# Altium PCB OLD_DIOT_temperature_logger.PcbDoc (part 6 of 6)
Units mm, origin at the board's own origin, x right, y up, seen from the top; angles counter-clockwise.
Board outline 222.54 x 100 mm, 4 copper layers (TOP, MID1, MID2, BOT), stack 1.55 mm thick; 631 components, 598 nets, 2471 pads, 1426 vias.
Unrouted connection lines stored in the file: 306.
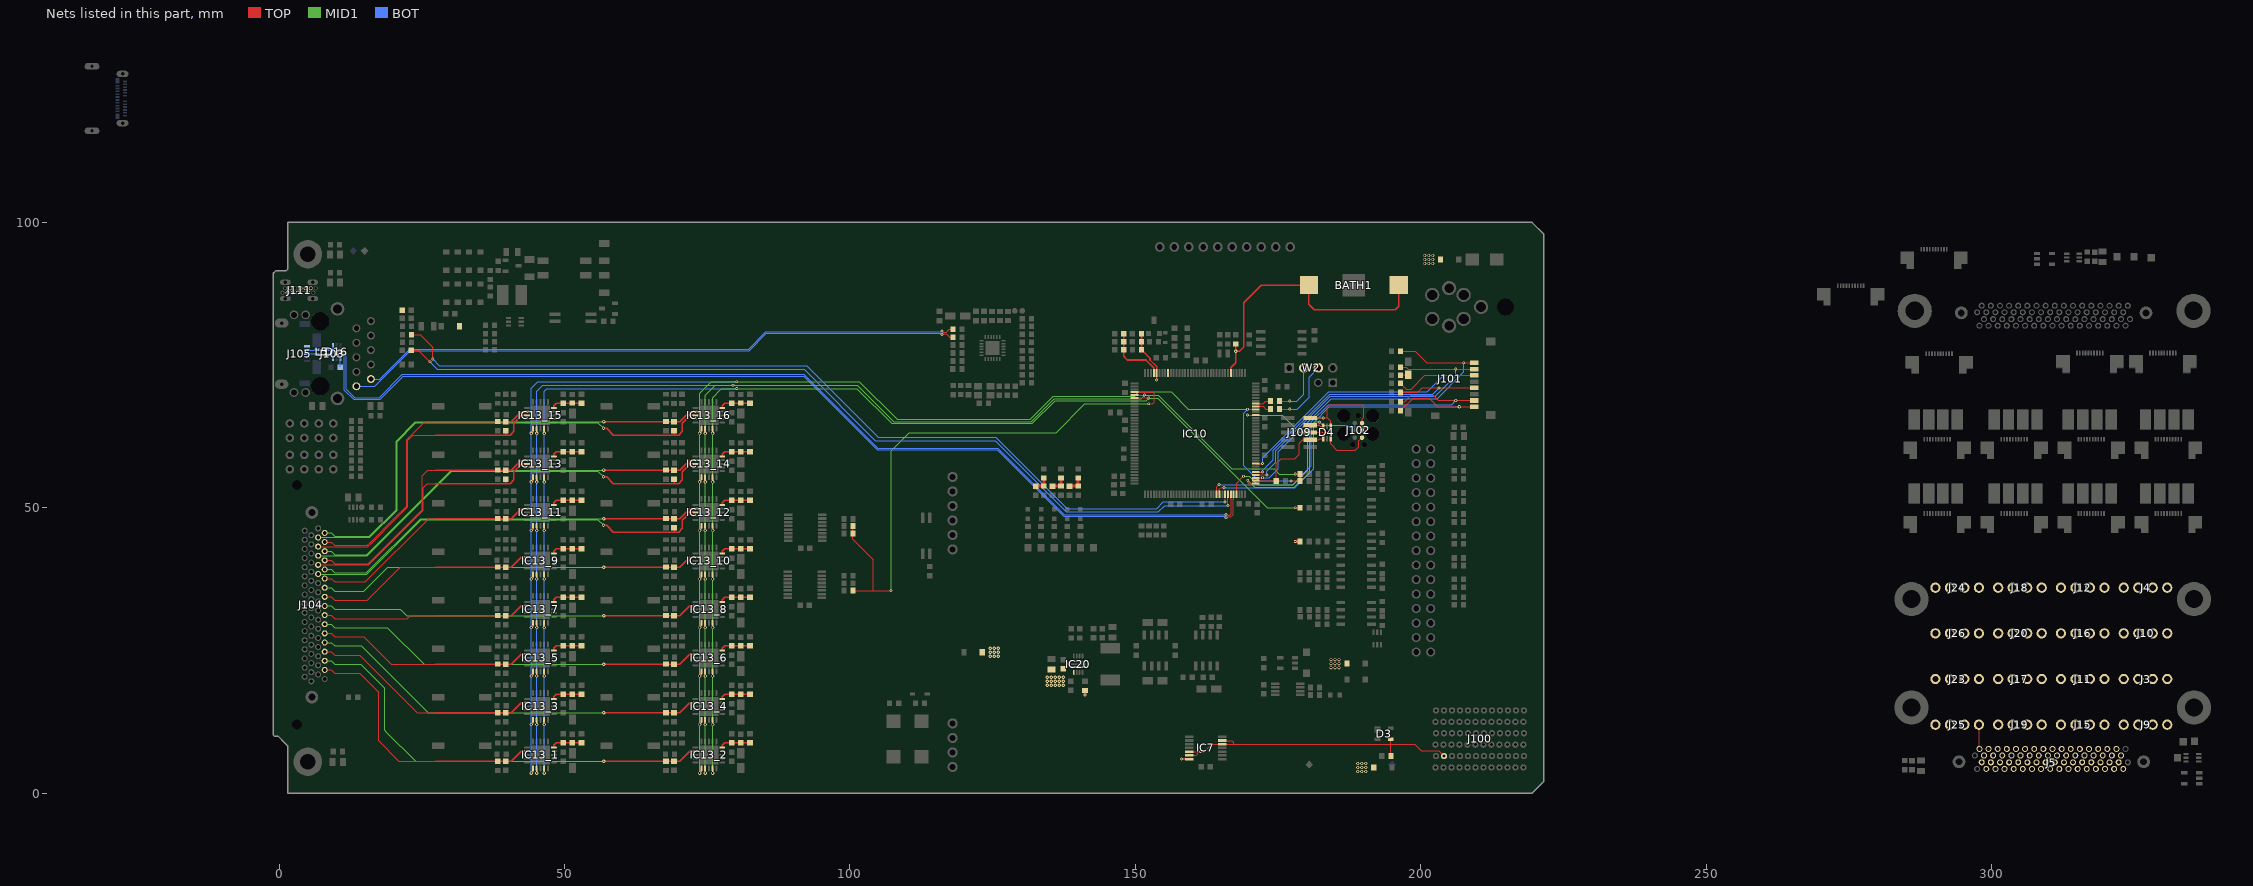
[diagram p8: the nets of this part, all layers, seen from the top]

## Via types
v1: diameter 0.5, hole 0.2, TOP to BOT, tented both sides, 687 vias
v2: diameter 0.6, hole 0.3, TOP to BOT, 286 vias
v3: diameter 0.5, hole 0.2, TOP to BOT, 256 vias
v4: diameter 0.6, hole 0.3, TOP to BOT, tented both sides, 192 vias
v5: diameter 0.66, hole 0.33, TOP to BOT, tented both sides, 5 vias

## Nets (pads, with @x,y where several pads share a name; then routed paths per layer and width w, separated by ;. In a path a pad name is that pad's centre, name@x,y a point inside that pad or via, vN(x,y) a via of type N, cw(c..) or ccw(c..) an arc to the next point about the centre after c; other vN are vias at no path point) (continued)
RTDIN_N11: C53_12.1 IC13_12.8 J104.24 | length 74
  TOP w0.254: v2(56.85,46.925) 57.4,46.925 58.575,45.75 69.184,45.75 ; C53_12.1@69.2,46.5 69.2,45.766 69.184,45.75 ; IC13_12.8@72.95,49.2 72,49.2 70.625,47.825 70.625,46.375 70,45.75 69.184,45.75
  MID1 w0.102: J104.24@6.85,38.395 9.654,38.395 15.396,38.395 24.897,47.896 55.879,47.896 v2(56.85,46.925)
RTDIN_N12: C53_13.1 IC13_13.8 J104.26 | length 47.9
  TOP w0.102: J104.26@6.85,39.995 13.643,39.995 ; 13.575,39.995 15.695,39.995 25.3,49.6 25.3,53.55 26,54.25 27.375,54.25
  TOP w0.254: 27.375,54.25 39.684,54.25 ; C53_13.1@39.7,55 39.7,54.266 39.684,54.25 ; IC13_13.8@43.45,57.7 42.5,57.7 41.125,56.325 41.125,54.875 40.5,54.25 39.684,54.25
RTDIN_N13: C53_14.1 IC13_14.8 J104.28 | length 76.2
  TOP w0.254: v2(56.85,55.425) 57.4,55.425 58.575,54.25 69.184,54.25 ; C53_14.1@69.2,55 69.2,54.266 69.184,54.25 ; IC13_14.8@72.95,57.7 72,57.7 70.625,56.325 70.625,54.875 70,54.25 69.184,54.25
  MID1 w0.102: J104.28@6.85,41.595 9.654,41.595 15.395,41.595 15.446,41.595 30.247,56.396 55.879,56.396 v2(56.85,55.425)
RTDIN_N14: C53_15.1 IC13_15.8 J104.30 | length 54.6
  TOP w0.102: J104.30@6.85,43.195 13.575,43.195 13.643,43.195 15.295,43.195 15.583,43.195 16.298,43.911 ; 16.298,43.911 20.553,48.166 22.547,50.159 22.547,61.797 22.75,62 23.5,62.75 27.375,62.75
  TOP w0.254: 27.375,62.75 39.684,62.75 ; C53_15.1@39.7,63.5 39.7,62.766 39.684,62.75 ; IC13_15.8@43.45,66.2 42.5,66.2 41.125,64.825 41.125,63.375 40.5,62.75 39.684,62.75
RTDIN_N15: C53_16.1 IC13_16.8 J104.32 | length 85.4
  TOP w0.254: v2(56.85,63.925) 57.4,63.925 58.575,62.75 69.184,62.75 ; C53_16.1@69.2,63.5 69.2,62.766 69.184,62.75 ; IC13_16.8@72.95,66.2 72,66.2 70.625,64.825 70.625,63.375 70,62.75 69.184,62.75
  MID1 w0.102: J104.32@6.85,44.795 9.654,44.795 15.921,44.795 20.696,49.571 20.696,61.171 20.696,61.609 23.983,64.896 24.421,64.896 55.879,64.896 v2(56.85,63.925)
RTDIN_P00: C53_1.2 IC13_1.7 J104.3 R108_1.2 | length 47.8
  TOP w0.102: J104.3@8,21.595 9.142,21.595 9.738,20.999 14.176,20.999 17.453,17.722 17.453,9.147 21,5.6 27.375,5.6
  TOP w0.254: 27.375,5.6 R108_1.2@38.3,5.6 C53_1.2@39.7,5.6 40.675,5.6 42.425,7.35 IC13_1.7@43.45,7.35
RTDIN_P01: C53_2.2 IC13_2.7 J104.5 R108_2.2 | length 77.3
  TOP w0.254: v2(56.875,5.6) R108_2.2@67.8,5.6 C53_2.2@69.2,5.6 70.175,5.6 71.925,7.35 IC13_2.7@72.95,7.35
  MID1 w0.102: J104.5@8,23.195 9.142,23.195 9.738,22.599 14.288,22.599 18.521,18.366 18.521,11.004 18.725,10.801 23.926,5.6 55.963,5.6 v2(56.875,5.6)
RTDIN_P02: C53_3.2 IC13_3.7 J104.7 R108_3.2 | length 40.6
  TOP w0.102: J104.7@8,24.795 9.142,24.795 9.738,24.199 14.114,24.199 24.212,14.1 27.509,14.1
  TOP w0.254: 27.509,14.1 R108_3.2@38.3,14.1 C53_3.2@39.7,14.1 40.675,14.1 42.425,15.85 IC13_3.7@43.45,15.85
RTDIN_P03: C53_4.2 IC13_4.7 J104.9 R108_4.2 | length 70.8
  TOP w0.254: v2(56.875,14.1) R108_4.2@67.8,14.1 C53_4.2@69.2,14.1 70.175,14.1 71.925,15.85 IC13_4.7@72.95,15.85
  MID1 w0.102: J104.9@8,26.395 9.142,26.395 9.738,25.799 14.314,25.799 14.402,25.799 26.101,14.1 v2(56.875,14.1)
RTDIN_P04: C53_5.2 IC13_5.7 J104.11 R108_5.2 | length 38.4
  TOP w0.102: J104.11@8,27.995 9.142,27.995 9.738,27.399 14.864,27.399 19.662,22.6 27.375,22.6
  TOP w0.254: 27.375,22.6 R108_5.2@38.3,22.6 C53_5.2@39.7,22.6 40.675,22.6 42.425,24.35 IC13_5.7@43.45,24.35
RTDIN_P05: C53_6.2 IC13_6.7 J104.13 R108_6.2 | length 68.6
  TOP w0.254: v2(56.875,22.6) R108_6.2@67.8,22.6 C53_6.2@69.2,22.6 70.175,22.6 71.925,24.35 IC13_6.7@72.95,24.35
  MID1 w0.102: J104.13@8,29.595 9.142,29.595 9.738,28.999 18.426,28.999 19.002,28.999 25.401,22.6 v2(56.875,22.6)
RTDIN_P06: C53_7.2 IC13_7.7 J104.15 R108_7.2 | length 36.6
  TOP w0.102: J104.15@8,31.195 9.142,31.195 9.738,30.599 22.449,30.599 22.95,31.1 27.375,31.1
  TOP w0.254: 27.375,31.1 R108_7.2@38.3,31.1 C53_7.2@39.7,31.1 40.675,31.1 42.425,32.85 IC13_7.7@43.45,32.85
RTDIN_P07: C53_8.2 IC13_8.7 J104.17 R108_8.2 | length 66.4
  TOP w0.254: v2(56.875,31.1) R108_8.2@67.8,31.1 C53_8.2@69.2,31.1 70.175,31.1 71.925,32.85 IC13_8.7@72.95,32.85
  MID1 w0.102: J104.17@8,32.795 9.142,32.795 9.738,32.199 21.252,32.199 22.351,31.1 v2(56.875,31.1)
RTDIN_P08: C53_9.2 IC13_9.7 J104.19 R108_9.2 | length 38.8
  TOP w0.102: J104.19@8,34.395 9.142,34.395 9.738,33.799 15.427,33.799 21.228,39.6 27.375,39.6
  TOP w0.254: 27.375,39.6 R108_9.2@38.3,39.6 C53_9.2@39.7,39.6 40.675,39.6 42.425,41.35 IC13_9.7@43.45,41.35
RTDIN_P09: C53_10.2 IC13_10.7 J104.21 R108_10.2 | length 67.7
  TOP w0.254: v2(56.875,39.6) R108_10.2@67.8,39.6 C53_10.2@69.2,39.6 70.175,39.6 71.925,41.35 IC13_10.7@72.95,41.35
  MID1 w0.102: J104.21@8,35.995 9.142,35.995 9.738,35.399 14.724,35.399 14.862,35.399 19.063,39.6 v2(56.875,39.6)
RTDIN_P10: C53_11.2 IC13_11.7 J104.23 R108_11.2 | length 41
  TOP w0.102: J104.23@8,37.595 9.142,37.595 9.738,36.999 14.124,36.999 14.799,36.999 15.099,36.999 26.2,48.1 27.375,48.1
  TOP w0.254: 27.375,48.1 R108_11.2@38.3,48.1 C53_11.2@39.7,48.1 40.675,48.1 42.425,49.85 IC13_11.7@43.45,49.85
RTDIN_P11: C53_12.2 IC13_12.7 J104.25 R108_12.2 | length 69.9
  TOP w0.254: v2(56.875,48.1) R108_12.2@67.8,48.1 C53_12.2@69.2,48.1 70.175,48.1 71.925,49.85 IC13_12.7@72.95,49.85
  MID1 w0.102: J104.25@8,39.195 9.142,39.195 9.738,38.599 15.024,38.599 15.312,38.599 24.813,48.1 v2(56.875,48.1)
RTDIN_P12: C53_13.2 IC13_13.7 J104.27 R108_13.2 | length 46.7
  TOP w0.102: J104.27@8,40.795 9.142,40.795 9.738,40.199 15.599,40.199 16.645,41.245 25.097,49.697 25.097,53.634 25.097,55.609 26.087,56.6 27.375,56.6
  TOP w0.254: 27.375,56.6 R108_13.2@38.3,56.6 C53_13.2@39.7,56.6 40.675,56.6 42.425,58.35 IC13_13.7@43.45,58.35
RTDIN_P13: C53_14.2 IC13_14.7 J104.29 R108_14.2 | length 72.1
  TOP w0.254: v2(56.875,56.6) R108_14.2@67.8,56.6 C53_14.2@69.2,56.6 70.175,56.6 71.925,58.35 IC13_14.7@72.95,58.35
  MID1 w0.102: J104.29@8,42.395 9.142,42.395 9.738,41.799 15.224,41.799 15.362,41.799 30.163,56.6 v2(56.875,56.6)
RTDIN_P14: C53_15.2 IC13_15.7 J104.31 R108_15.2 | length 52.2
  TOP w0.102: J104.31@8,43.995 9.142,43.995 9.738,43.399 15.499,43.399 16.095,43.995 20.225,48.125 22.344,50.244 22.344,61.881 22.547,62.084 25.562,65.1 27.375,65.1
  TOP w0.254: 27.375,65.1 R108_15.2@38.3,65.1 C53_15.2@39.7,65.1 40.675,65.1 42.425,66.85 IC13_15.7@43.45,66.85
RTDIN_P15: C53_16.2 IC13_16.7 J104.33 R108_16.2 | length 81.3
  TOP w0.254: v2(56.875,65.1) R108_16.2@67.8,65.1 C53_16.2@69.2,65.1 70.175,65.1 71.925,66.85 IC13_16.7@72.95,66.85
  MID1 w0.102: J104.33@8,45.595 9.142,45.595 9.738,44.999 15.837,44.999 20.493,49.655 20.493,61.406 20.493,61.694 23.899,65.1 24.187,65.1 24.79,65.1 v2(56.875,65.1)
Rx: R78.1 W2.2 | length 9.3
  TOP w0.127: R78.1@175.3,68.7 v3(177.075,68.7)
  BOT w0.127: v3(177.075,68.7) 178.325,68.7 179.54,69.915 W2.2@179.54,74.5
RXD: IC10.137 R78.2 | length 2.8
  TOP w0.127: IC10.137@171.125,68.25 172.4,68.25 172.85,68.7 R78.2@173.7,68.7
SD_CK: IC10.113 J101.5 R61.1 | length 52.6
  TOP w0.2: IC10.113@171.125,56.25 172.3,56.25 v3(172.325,56.275) ; R61.1@196.5,70.2 199.5,70.2 200.3,71 v3(203.225,71) J101.5@209.4,71
  BOT w0.2: v3(172.325,56.275) 172.382,56.332 172.382,56.557 174.225,58.4 174.225,60.1 184.05,69.925 202.15,69.925 v3(203.225,71)
SD_CMD: IC10.116 J101.3 R60.1 | length 54.2
  TOP w0.2: IC10.116@171.125,57.75 v3(172.325,57.75) ; R60.1@196.49,71.8 196.49,71.75 196.84,71.4 196.89,71.4 197.515,70.775 198.325,70.775 200.75,73.2 v3(204.018,73.2) J101.3@209.4,73.2
  BOT w0.2: v3(172.325,57.75) 172.325,58.725 183.925,70.325 201.143,70.325 v3(204.018,73.2)
SD_D0: IC10.98 J101.7 R62.1 | length 67.7
  TOP w0.2: IC10.98@164.25,52.375 164.25,53.65 v3(164.675,54.075) ; R62.1@196.5,68.6 197.182,68.6 198.282,69.7 202.225,69.7 203.125,68.8 v2(206.146,68.8) J101.7@209.4,68.8
  BOT w0.2: v3(164.675,54.075) 177.625,54.075 180.876,57.326 180.876,65.051 183.9,68.075 205.421,68.075 v2(206.146,68.8)
SD_D1: IC10.99 J101.8 R63.1 | length 68.2
  TOP w0.2: IC10.99@164.75,52.375 164.75,53.325 164.975,53.55 v3(165.525,53.55) ; R63.1@196.5,67 196.5,67.05 196.85,67.4 196.9,67.4 198.7,69.2 201.475,69.2 202.975,67.7 v2(206.807,67.7) J101.8@209.4,67.7
  BOT w0.2: v3(165.525,53.55) 177.95,53.55 181.238,56.838 181.238,64.913 184.025,67.7 v2(206.807,67.7)
SD_D2: IC10.111 J101.1 R58.1 | length 61.2
  TOP w0.2: IC10.111@171.125,55.25 v3(172.325,55.25) ; R58.1@196.49,77.4 199.082,77.4 201.082,75.4 v3(207.559,75.4) J101.1@209.4,75.4
  BOT w0.2: v3(172.325,55.25) 173.5,55.25 175.05,56.8 175.05,59.85 184.325,69.125 202.875,69.125 207.559,73.809 v3(207.559,75.4)
SD_D3: IC10.112 J101.2 R59.1 | length 58
  TOP w0.2: IC10.112@171.125,55.75 v3(173.075,55.75) ; R59.1@196.49,74.6 197.525,74.6 197.825,74.3 v3(206.166,74.3) J101.2@209.4,74.3
  BOT w0.2: v3(173.075,55.75) 173.075,56.375 174.65,57.95 174.65,59.975 184.2,69.525 202.575,69.525 206.166,73.116 v3(206.166,74.3)
SD_SW: J101.12 R64.1 | length 1.4
  TOP w0.2: R64.1@196.49,73.2 196.59,73.3 J101.12@197.825,73.3
SERVMOD_3V3: D3.3 IC7.5 IC7.6 IC7.12 IC7.13 J100.K2 R42.2 | length 53.5
  TOP w0.127: IC7.13@159.45,6.625 160.7,6.625 160.921,6.846 160.921,7.275 ; IC7.12@159.45,7.275 160.921,7.275 ; IC7.5@165.25,8.575 163.4,8.575 162.1,7.275 v3(161.45,7.275) 160.921,7.275
  TOP w0.2: IC7.5@165.25,8.575 167.275,8.575 ; IC7.6@165.25,9.225 166.95,9.225 167.275,8.9 167.275,8.575 ; D3.3@194.75,9.45 194.8,9.4 194.8,8.575 ; R42.2@194.8,6.5 194.8,8.575 ; J100.K2@204.1,6.5 203.15,7.45 200.075,7.45 198.95,8.575 194.8,8.575 ; 167.275,8.575 194.8,8.575
SPI1_CS: R28.1 | length 0.8
  TOP w0.5: v3(178.05,44.1) R28.1@178.9,44.1
SPI1_MISO: IC10.42 IC13_1.14 IC13_2.14 IC13_3.14 IC13_4.14 IC13_5.14 IC13_6.14 IC13_7.14 IC13_8.14 IC13_9.14 IC13_10.14 IC13_11.14 IC13_12.14 IC13_13.14 IC13_14.14 IC13_15.14 IC13_16.14 R27.1 | length 300.3
  TOP w0.2: IC10.42@149.875,69.25 152.35,69.25 v3(152.375,69.225) ; v3(178.05,50) R27.1@178.9,50
  TOP w0.254: v4@46.45,3.4 v4(46.45,3.525) IC13_1.14@46.45,4.35 ; v4@46.45,11.9 v4(46.45,12.025) IC13_3.14@46.45,12.85 ; v4@46.45,20.4 v4(46.45,20.525) IC13_5.14@46.45,21.35 ; v4@46.45,28.9 v4(46.45,29.025) IC13_7.14@46.45,29.85 ; v4@46.45,37.4 v4(46.45,37.525) IC13_9.14@46.45,38.35 ; v4@46.45,45.9 v4(46.45,46.025) IC13_11.14@46.45,46.85 ; v4@46.45,54.4 v4(46.45,54.525) IC13_13.14@46.45,55.35 ; v4@46.45,62.9 v4(46.45,63.025) IC13_15.14@46.45,63.85 ; v4@75.95,3.4 v4(75.95,3.525) IC13_2.14@75.95,4.35 ; v4@75.95,11.9 v4(75.95,12.025) IC13_4.14@75.95,12.85 ; v4@75.95,20.4 v4(75.95,20.525) IC13_6.14@75.95,21.35 ; v4@75.95,28.9 v4(75.95,29.025) IC13_8.14@75.95,29.85 ; v4@75.95,37.4 v4(75.95,37.525) IC13_10.14@75.95,38.35 ; v4@75.95,45.9 v4(75.95,46.025) IC13_12.14@75.95,46.85 ; v4@75.95,54.4 v4(75.95,54.525) IC13_14.14@75.95,55.35 ; v4@75.95,62.9 v4(75.95,63.025) IC13_16.14@75.95,63.85
  MID1 w0.2: v4(75.95,3.525) v4(75.95,12.025) v4(75.95,20.525) v4(75.95,29.025) v4(75.95,37.525) v4(75.95,46.025) v4(75.95,54.525) v4(75.95,63.025) 75.95,69.3 77.5,70.85 v3@80.2,70.85 ; v3(80.2,70.875) 101.228,70.875 107.328,64.775 132,64.775 135.975,68.75 151.95,68.75 152.375,69.175 v3(152.375,69.225) 153.925,69.225 173.15,50 v3(178.05,50)
  BOT w0.2: v4(46.45,3.525) v4(46.45,12.025) v4(46.45,20.525) v4(46.45,29.025) v4(46.45,37.525) v4(46.45,46.025) v4(46.45,54.525) v4(46.45,63.025) 46.45,70.4 46.925,70.875 v3(80.2,70.875)
SPI1_MOSI: IC10.135 IC13_1.11 IC13_2.11 IC13_3.11 IC13_4.11 IC13_5.11 IC13_6.11 IC13_7.11 IC13_8.11 IC13_9.11 IC13_10.11 IC13_11.11 IC13_12.11 IC13_13.11 IC13_14.11 IC13_15.11 IC13_16.11 R26.1 | length 311.7
  TOP w0.2: v3(169.675,67.25) IC10.135@171.125,67.25 ; v3(177.275,54.7) R26.1@178.9,54.7
  TOP w0.254: v4@44.175,3.5 44.5,3.825 IC13_1.11@44.5,4.35 ; v4@44.175,12 44.5,12.325 IC13_3.11@44.5,12.85 ; v4@44.175,20.5 44.5,20.825 IC13_5.11@44.5,21.35 ; v4@44.175,29 44.5,29.325 IC13_7.11@44.5,29.85 ; v4@44.175,37.5 44.5,37.825 IC13_9.11@44.5,38.35 ; v4@44.175,46 44.5,46.325 IC13_11.11@44.5,46.85 ; v4@44.175,54.5 44.5,54.825 IC13_13.11@44.5,55.35 ; v4@44.175,63 44.5,63.325 IC13_15.11@44.5,63.85 ; v4@73.675,3.5 74,3.825 IC13_2.11@74,4.35 ; v4@73.675,12 74,12.325 IC13_4.11@74,12.85 ; v4@73.675,20.5 74,20.825 IC13_6.11@74,21.35 ; v4@73.675,29 74,29.325 IC13_8.11@74,29.85 ; v4@73.675,37.5 74,37.825 IC13_10.11@74,38.35 ; v4@73.675,46 74,46.325 IC13_12.11@74,46.85 ; v4@73.675,54.5 74,54.825 IC13_14.11@74,55.35 ; v4@73.675,63 74,63.325 IC13_16.11@74,63.85
  MID1 w0.2: v4(73.675,3.525) v4(73.675,12.025) v4(73.675,20.525) v4(73.675,29.025) v4(73.675,37.525) v4(73.675,46.025) v4(73.675,54.525) v4(73.675,63.025) 73.675,70.05 75.7,72.075 v3(80.2,72.075) 101.675,72.075 108.275,65.475 131.575,65.475 135.65,69.55 149.875,69.55 150.625,70.3 156.275,70.3 159.325,67.25 v3(169.675,67.25)
  BOT w0.2: v4(44.175,3.525) v4(44.175,12.025) v4(44.175,20.525) v4(44.175,29.025) v4(44.175,37.525) v4(44.175,46.025) v4(44.175,54.525) v4(44.175,63.025) 44.175,70.925 45.325,72.075 v3(80.2,72.075) ; v3(169.675,67.25) 168.975,66.55 168.975,57.375 171.65,54.7 v3(177.275,54.7)
SPI1_NSS: IC10.40 R115.1 R116.1 R117.1 | length 98.6
  TOP w0.2: R116.1@100.55,35.5 104.125,35.5 ; R115.1@100.55,46.8 R117.1@100.55,45.5 100.55,44.475 104.125,40.9 104.125,35.5 ; v3(107.225,35.5) 104.125,35.5 ; IC10.40@149.875,70.25 153.1,70.25 153.325,70.025 153.325,68.475 153.075,68.225 v3(152.375,68.225)
  MID1 w0.2: v3(107.225,35.5) 107.225,59.95 110.45,63.175 136.125,63.175 141.175,68.225 v3(152.375,68.225)
SPI1_SCK: IC10.41 IC13_1.12 IC13_2.12 IC13_3.12 IC13_4.12 IC13_5.12 IC13_6.12 IC13_7.12 IC13_8.12 IC13_9.12 IC13_10.12 IC13_11.12 IC13_12.12 IC13_13.12 IC13_14.12 IC13_15.12 IC13_16.12 R29.1 | length 298.2
  TOP w0.2: IC10.41@149.875,69.75 v3(151.65,69.75) ; v3(178.05,55.9) R29.1@178.9,55.9
  TOP w0.254: v4(45.15,3.525) IC13_1.12@45.15,4.35 ; v4(45.15,12.025) IC13_3.12@45.15,12.85 ; v4(45.15,20.525) IC13_5.12@45.15,21.35 ; v4(45.15,29.025) IC13_7.12@45.15,29.85 ; v4(45.15,37.525) IC13_9.12@45.15,38.35 ; v4(45.15,46.025) IC13_11.12@45.15,46.85 ; v4(45.15,54.525) IC13_13.12@45.15,55.35 ; v4(45.15,63.025) IC13_15.12@45.15,63.85 ; v4(74.65,3.525) IC13_2.12@74.65,4.35 ; v4(74.65,12.025) IC13_4.12@74.65,12.85 ; v4(74.65,20.525) IC13_6.12@74.65,21.35 ; v4(74.65,29.025) IC13_8.12@74.65,29.85 ; v4(74.65,37.525) IC13_10.12@74.65,38.35 ; v4(74.65,46.025) IC13_12.12@74.65,46.85 ; v4(74.65,54.525) IC13_14.12@74.65,55.35 ; v4(74.65,63.025) IC13_16.12@74.65,63.85
  MID1 w0.2: v4(74.65,3.525) v4(74.65,12.025) v4(74.65,20.525) v4(74.65,29.025) v4(74.65,37.525) v4(74.65,46.025) v4(74.65,54.525) v4(74.65,63.025) 74.65,69.739 76.386,71.475 v3(79.548,71.475) 101.294,71.475 107.692,65.077 131.802,65.077 135.85,69.125 151.025,69.125 v3(151.65,69.75) 154,69.75 166.925,56.825 174.35,56.825 175.275,55.9 v3(178.05,55.9)
  BOT w0.2: v4(45.15,3.525) v4(45.15,12.025) v4(45.15,20.525) v4(45.15,29.025) v4(45.15,37.525) v4(45.15,46.025) v4(45.15,54.525) v4(45.15,63.025) 45.15,70.4 46.225,71.475 v3(79.548,71.475)
SWCLK: D4.3 IC10.109 J102.4 J109.4 | length 36.6
  TOP w0.127: v3(169.725,54.825) 169.725,54.45 169.925,54.25 IC10.109@171.125,54.25 ; J109.4@180.65,64.47 182.28,64.47 ; v3(182.275,65.05) 182.28,65.045 182.28,64.47 ; D4.3@182.95,64.3 182.45,64.3 182.28,64.47
  TOP w0.2: J102.4@189.735,63.56 v3(190.37,64.195)
  MID1 w0.127: v3(169.725,54.825) 170.975,53.575 177.9,53.575 180.575,56.25 180.575,64.075 181.55,65.05 v3(182.275,65.05)
  BOT w0.127: v3(182.275,65.05) 182.825,64.5 187.14,64.5 187.445,64.195 v3(190.37,64.195)
SWDIO: D4.1 IC10.105 J102.2 J109.2 | length 44.2
  TOP w0.127: IC10.105@167.75,52.375 167.75,54.325 v3(168.95,55.525) ; J109.2@180.65,65.74 v3(182.945,65.74) 183.66,65.74 ; D4.1@184.25,64.3 184.25,65.15 183.66,65.74 ; J102.2@189.735,64.83 189.735,65.535 190.05,65.85 190.05,67.625 189.65,68.025 184.275,68.025 183.66,67.41 183.66,65.74
  MID1 w0.127: v3(168.95,55.525) 169.95,55.525 171.475,54 177.65,54 180.2,56.55 180.2,65 180.94,65.74 v3(182.945,65.74)
TD_N: J103.2 R85.2 | length 105.7
  TOP w0.127: v3(116.136,80.951) 116.297,80.79 116.926,80.79 117.436,81.3 R85.2@118.05,81.3
  BOT w0.127: J103.2@16.09,72.555 17.63,72.555 22.884,77.809 82.263,77.809 85.198,80.743 85.28,80.825 115.909,80.825 116.035,80.951 v3(116.136,80.951)
TD_P: J103.1 R84.2 | length 108.7
  TOP w0.127: v3(116.136,80.349) 116.297,80.51 116.926,80.51 117.536,79.9 R84.2@118.05,79.9
  BOT w0.127: J103.1@13.55,71.285 16.735,71.285 22.993,77.543 80.689,77.543 ; 80.689,77.529 82.379,77.529 82.393,77.543 85.396,80.546 115.875,80.546 116.071,80.349 v3(116.136,80.349)
TDI: D4.4 IC10.110 J109.8 R66.1 | length 17.8
  TOP w0.152: IC10.110@171.125,54.75 R66.1@174.7,54.75 ; R66.1@174.7,54.7 R66.1@174.7,54.75 ; D4.4@182.95,62.1 182.35,62.1 182.18,61.93 J109.8@180.65,61.93 180.631,61.911 179.311,61.911 178.7,61.3 178.7,59.375 177.95,58.625 175.55,58.625 174.7,57.775 R66.1@174.7,54.75
TDO: D4.6 IC10.133 J102.6 J109.6 | length 26.5
  TOP w0.152: v3(169.675,66.25) IC10.133@171.125,66.25 ; v3(179.197,63.2) J109.6@180.65,63.2 183.9,63.2 184.25,62.85 D4.6@184.25,62.1 184.25,61.2 185.35,60.1 188.58,60.1 189.175,60.695 189.175,61.73 J102.6@189.735,62.29
  MID1 w0.152: v3(169.675,66.25) 175.725,66.25 178.775,63.2 v3(179.197,63.2)
TFORCE_N0: J3.1 J5.5
TFORCE_N1: J5.9 J9.1
TFORCE_N2: J5.13 J11.1
TFORCE_N3: J5.17 J15.1
TFORCE_N4: J5.21 J17.1
TFORCE_N5: J5.25 J19.1
TFORCE_N6: J5.29 J23.1
TFORCE_N7: J5.33 J25.1 | length 4.3
  TOP w0.127: J25.1@297.81,12 297.905,11.905 J5.33@297.905,7.75
TFORCE_N8: J4.1 J5.39
TFORCE_N9: J5.43 J10.1
TFORCE_N10: J5.47 J12.1
TFORCE_N11: J5.51 J16.1
TFORCE_N12: J5.55 J18.1
TFORCE_N13: J5.59 J20.1
TFORCE_N14: J5.63 J24.1
TFORCE_N15: J5.67 J26.1
TFORCE_P0: J3.4 J5.2
TFORCE_P1: J5.6 J9.4
TFORCE_P2: J5.10 J11.4
TFORCE_P3: J5.14 J15.4
TFORCE_P4: J5.18 J17.4
TFORCE_P5: J5.22 J19.4
TFORCE_P6: J5.26 J23.4
TFORCE_P7: J5.30 J25.4
TFORCE_P8: J4.4 J5.36
TFORCE_P9: J5.40 J10.4
TFORCE_P10: J5.44 J12.4
TFORCE_P11: J5.48 J16.4
TFORCE_P12: J5.52 J18.4
TFORCE_P13: J5.56 J20.4
TFORCE_P14: J5.60 J24.4
TFORCE_P15: J5.64 J26.4
TRTDIN_N0: J3.2 J5.4
TRTDIN_N1: J5.8 J9.2
TRTDIN_N2: J5.12 J11.2
TRTDIN_N3: J5.16 J15.2
TRTDIN_N4: J5.20 J17.2
TRTDIN_N5: J5.24 J19.2
TRTDIN_N6: J5.28 J23.2
TRTDIN_N7: J5.32 J25.2
TRTDIN_N8: J4.2 J5.38
TRTDIN_N9: J5.42 J10.2
TRTDIN_N10: J5.46 J12.2
TRTDIN_N11: J5.50 J16.2
TRTDIN_N12: J5.54 J18.2
TRTDIN_N13: J5.58 J20.2
TRTDIN_N14: J5.62 J24.2
TRTDIN_N15: J5.66 J26.2
TRTDIN_P0: J3.3 J5.3
TRTDIN_P1: J5.7 J9.3
TRTDIN_P2: J5.11 J11.3
TRTDIN_P3: J5.15 J15.3
TRTDIN_P4: J5.19 J17.3
TRTDIN_P5: J5.23 J19.3
TRTDIN_P6: J5.27 J23.3
TRTDIN_P7: J5.31 J25.3
TRTDIN_P8: J4.3 J5.37
TRTDIN_P9: J5.41 J10.3
TRTDIN_P10: J5.45 J12.3
TRTDIN_P11: J5.49 J16.3
TRTDIN_P12: J5.53 J18.3
TRTDIN_P13: J5.57 J20.3
TRTDIN_P14: J5.61 J24.3
TRTDIN_P15: J5.65 J26.3
Tx: R79.1 W2.3 | length 11.7
  TOP w0.127: R79.1@175.3,67.3 v3@177,67.3
  BOT w0.127: v3(177.075,67.3) 178.4,67.3 180.45,69.35 180.45,72.87 W2.3@182.08,74.5
TXD: IC10.136 R79.2 | length 2.8
  TOP w0.127: IC10.136@171.125,67.75 172.4,67.75 172.85,67.3 R79.2@173.7,67.3
U_meas_P3V3: C16.2 R54.1 R56.2 | length 2.9
  TOP w0.5: C16.2@132.591,53.75 C16.2@132.591,53.8 R56.2@134,53.8 R54.1@134,55.2
U_meas_P3V9: C13.2 R48.1 R49.2 | length 2.9
  TOP w0.5: C13.2@138.5,53.8 R49.2@140,53.8 R48.1@140,55.2
U_meas_P12V0: C12.2 IC10.28 R45.1 R46.2 | length 2.9
  TOP w0.5: C12.2@135.5,53.8 R46.2@137,53.8 R45.1@137,55.2
USB_ID: C62.2 D16.1 IC10.102 L6.1 | length 158.9
  TOP w0.127: C62.2@23.2,77.6 24.425,77.6 26.425,75.6 v3(26.425,75.575) ; v3(166.25,50.375) IC10.102@166.25,52.375
  BOT w0.17: L6.1@10.7,74.6 10.7,76.15 D16.1@10.75,76.2
  BOT w0.2: v3(26.425,75.575) 27.372,74.628 27.75,74.25 92.016,74.25 104.491,61.775 125.475,61.775 137.95,49.3 154.075,49.3 155.15,50.375 v3(166.25,50.375)
USB_N: D16.4 IC10.103 L5.2 | length 182.1
  TOP w0.17: v3(165.9,48.85) 165.989,48.85 166.129,48.71 166.6,48.71 166.839,48.95 166.839,51.526 166.75,51.615 IC10.103@166.75,52.375
  BOT w0.1: L5.2@8.35,77.7 8.355,77.695 8.955,77.695 9.189,77.461 9.45,77.461 ; D16.4@9.45,78.4 9.45,77.461 ; v3(165.9,48.85) 165.823,48.773 165.665,48.773 165.641,48.75 137.533,48.75 125.883,60.4 104.925,60.4 92.194,73.131 92.047,73.278 92.016,73.278 91.944,73.35 21.625,73.35 17.575,69.3 13.225,69.3 11.765,70.76 11.765,76.991 11.295,77.461 9.45,77.461
USB_P: D16.3 IC10.104 L5.3 | length 182.7
  TOP w0.17: v3(165.9,48.248) 165.989,48.248 166.129,48.388 166.733,48.388 167.161,48.816 167.161,51.526 167.25,51.615 IC10.104@167.25,52.375
  BOT w0.1: L5.3@8.35,76.9 8.405,76.955 8.955,76.955 9.139,77.139 9.45,77.139 ; D16.3@9.45,76.2 9.45,77.139 ; v3(165.9,48.248) 165.625,48.523 137.439,48.523 125.801,60.161 124.888,60.161 104.81,60.161 91.944,73.028 21.758,73.028 17.708,68.978 13.091,68.978 11.443,70.626 11.443,76.857 11.161,77.139 9.45,77.139
USB_VBUS: IC10.101 R57.2 | length 158.2
  TOP w0.2: R57.2@23.2,80.3 24.725,80.3 26.925,78.1 v3(26.925,76.075) ; v3(165.75,51.025) IC10.101@165.75,52.375
  BOT w0.2: v3(26.925,76.075) 28.1,74.9 92.425,74.9 105,62.325 125.55,62.325 138.05,49.825 153.75,49.825 154.95,51.025 v3(165.75,51.025)
USBJ_N: J105.2 J111.A7 J111.B7 L5.1 | length 1.6
  BOT w0.17: J105.2@5,77.64 L5.1@6.65,77.64
USBJ_P: J105.3 J111.A6 J111.B6 L5.4 | length 1.6
  BOT w0.17: J105.3@5,76.99 L5.4@6.65,76.99
V_RTD_1: C54_1.2 C55_1.2 IC13_1.20 L3_1.1 | length 5.1
  TOP w0.254: IC13_1.20@48.15,8 48.15,8.4 48.55,8.8 C54_1.2@49.8,8.8 L3_1.1@52.7,8.8
V_RTD_2: C54_2.2 C55_2.2 IC13_2.20 L3_2.1 | length 5.1
  TOP w0.254: IC13_2.20@77.65,8 77.65,8.4 78.05,8.8 C54_2.2@79.3,8.8 L3_2.1@82.2,8.8
V_RTD_3: C54_3.2 C55_3.2 IC13_3.20 L3_3.1 | length 5.1
  TOP w0.254: IC13_3.20@48.15,16.5 48.15,16.9 48.55,17.3 C54_3.2@49.8,17.3 L3_3.1@52.7,17.3
V_RTD_4: C54_4.2 C55_4.2 IC13_4.20 L3_4.1 | length 5.1
  TOP w0.254: IC13_4.20@77.65,16.5 77.65,16.9 78.05,17.3 C54_4.2@79.3,17.3 L3_4.1@82.2,17.3
V_RTD_5: C54_5.2 C55_5.2 IC13_5.20 L3_5.1 | length 5.1
  TOP w0.254: IC13_5.20@48.15,25 48.15,25.4 48.55,25.8 C54_5.2@49.8,25.8 L3_5.1@52.7,25.8
V_RTD_6: C54_6.2 C55_6.2 IC13_6.20 L3_6.1 | length 5.1
  TOP w0.254: IC13_6.20@77.65,25 77.65,25.4 78.05,25.8 C54_6.2@79.3,25.8 L3_6.1@82.2,25.8
V_RTD_7: C54_7.2 C55_7.2 IC13_7.20 L3_7.1 | length 5.1
  TOP w0.254: IC13_7.20@48.15,33.5 48.15,33.9 48.55,34.3 C54_7.2@49.8,34.3 L3_7.1@52.7,34.3
V_RTD_8: C54_8.2 C55_8.2 IC13_8.20 L3_8.1 | length 5.1
  TOP w0.254: IC13_8.20@77.65,33.5 77.65,33.9 78.05,34.3 C54_8.2@79.3,34.3 L3_8.1@82.2,34.3
V_RTD_9: C54_9.2 C55_9.2 IC13_9.20 L3_9.1 | length 5.1
  TOP w0.254: IC13_9.20@48.15,42 48.15,42.4 48.55,42.8 C54_9.2@49.8,42.8 L3_9.1@52.7,42.8
V_RTD_10: C54_10.2 C55_10.2 IC13_10.20 L3_10.1 | length 5.1
  TOP w0.254: IC13_10.20@77.65,42 77.65,42.4 78.05,42.8 C54_10.2@79.3,42.8 L3_10.1@82.2,42.8
V_RTD_11: C54_11.2 C55_11.2 IC13_11.20 L3_11.1 | length 5.1
  TOP w0.254: IC13_11.20@48.15,50.5 48.15,50.9 48.55,51.3 C54_11.2@49.8,51.3 L3_11.1@52.7,51.3
V_RTD_12: C54_12.2 C55_12.2 IC13_12.20 L3_12.1 | length 5.1
  TOP w0.254: IC13_12.20@77.65,50.5 77.65,50.9 78.05,51.3 C54_12.2@79.3,51.3 L3_12.1@82.2,51.3
V_RTD_13: C54_13.2 C55_13.2 IC13_13.20 L3_13.1 | length 5.1
  TOP w0.254: IC13_13.20@48.15,59 48.15,59.4 48.55,59.8 C54_13.2@49.8,59.8 L3_13.1@52.7,59.8
V_RTD_14: C54_14.2 C55_14.2 IC13_14.20 L3_14.1 | length 5.1
  TOP w0.254: IC13_14.20@77.65,59 77.65,59.4 78.05,59.8 C54_14.2@79.3,59.8 L3_14.1@82.2,59.8
V_RTD_15: C54_15.2 C55_15.2 IC13_15.20 L3_15.1 | length 5.1
  TOP w0.254: IC13_15.20@48.15,67.5 48.15,67.9 48.55,68.3 C54_15.2@49.8,68.3 L3_15.1@52.7,68.3
V_RTD_16: C54_16.2 C55_16.2 IC13_16.20 L3_16.1 | length 5.1
  TOP w0.254: IC13_16.20@77.65,67.5 77.65,67.9 78.05,68.3 C54_16.2@79.3,68.3 L3_16.1@82.2,68.3
VBAT: BATH1.1 C25.2 IC10.6 | length 51
  TOP w0.3: IC10.6@166.75,73.625 166.75,74.55 167.6,75.4 v2(167.6,77.448) ; C25.2@167.6,78.7 v2(167.6,77.448) ; BATH1.1@196.173,89 196.15,88.977 196.15,85.3 195.528,84.678 181.397,84.678 180.427,85.648 BATH1.1@180.427,89 172.05,89 169,85.95 169,78.175 168.273,77.448 v2(167.6,77.448)
VBUS: J105.1 J111.A4 J111.A9 J111.B4 J111.B9 L4.2
VCC: IC7.14 | length 1.3
  TOP w0.3: v3(158.1,5.975) IC7.14@159.45,5.975
VDDA: C21.2 C22.2 IC10.33 L1.2 | length 10.8
  TOP w0.3: C22.2@148,77.7 148,76.525 148.625,75.9 151.875,75.9 153.25,74.525 IC10.33@153.25,73.625 ; C22.2@148,77.9 C21.2@148,79.1 L1.2@148,80.5
VIN: C76.2 C77.2 D18.1 D19.1 D20.1 D21.1 D25.1 IC20.1 IC20.8 R128.2 | length 0.8
  TOP w0.5: v1(141.2,17.175) R128.2@141.2,18
  other v2: 189,3.8 189.7,3.8 190.4,3.8 189,4.5 189.7,4.5 190.4,4.5 189,5.2 189.7,5.2 190.4,5.2 134.6,18.9 135.3,18.9 136,18.9 136.7,18.9 137.4,18.9 134.6,19.6 135.3,19.6 136,19.6 136.7,19.6 137.4,19.6 134.6,20.3 135.3,20.3 136,20.3 136.7,20.3 137.4,20.3 184.3,22 185,22 185.7,22 184.3,22.7 185,22.7 185.7,22.7 184.3,23.4 185,23.4 185.7,23.4 124.6,24 125.3,24 126,24 124.6,24.7 125.3,24.7 126,24.7 124.6,25.4 125.3,25.4 126,25.4 200.7,92.8 201.4,92.8 202.1,92.8 200.7,93.5 201.4,93.5 202.1,93.5 200.7,94.2 201.4,94.2 202.1,94.2
VREF+: C26.2 C27.2 IC10.32 R74.1 | length 9.3
  TOP w0.3: C27.2@151.1,80.5 C26.2@151.1,79.1 151.1,77.65 151.4,77.35 151.45,77.35 152.6,76.2 152.6,75.9 153.75,74.75 IC10.32@153.75,73.625 v3(153.75,72.375)
pads on no net: D1.1 D1.5 D1.6 D2.1 D2.6 D3.2 D15.1 D15.6 D16.6 D24.1 D24.5 D24.6 FTG1.1 FTG2.1 FTG3.1 FTG4.1 IC1.5 IC3.1 IC3.2 IC3.7 IC4.5 IC4.6 IC9.5 IC10.1 IC10.2 IC10.3 IC10.4 IC10.5 IC10.12 IC10.14 IC10.15 IC10.26 IC10.29 IC10.34 IC10.46 IC10.47 IC10.49 IC10.58 IC10.70 IC10.89 IC10.90 IC10.92 IC10.93 IC10.96 IC10.97 IC10.117 IC10.118 IC10.119 IC10.122 IC10.123 IC10.124 IC10.125 IC10.127 IC10.132 IC10.141 IC10.142 IC13_1.17 IC13_1.18 IC13_2.17 IC13_2.18 IC13_3.17 IC13_3.18 IC13_4.17 IC13_4.18 IC13_5.17 IC13_5.18 IC13_6.17 IC13_6.18 IC13_7.17 IC13_7.18 IC13_8.17 IC13_8.18 IC13_9.17 IC13_9.18 IC13_10.17 IC13_10.18 IC13_11.17 IC13_11.18 IC13_12.17 IC13_12.18 IC13_13.17 IC13_13.18 IC13_14.17 IC13_14.18 IC13_15.17 IC13_15.18 IC13_16.17 IC13_16.18 IC16.4 IC16.5 IC16.6 IC16.9 IC19.5 IC19.8 IC20.6 IC21.1 IC21.3 IC21.5 IC21.8 IC22.5 J1.MECH J2.MECH J5.71 J5.72 J6.MECH J7.MECH J8.71 J8.72 J13.MECH J14.MECH J21.MECH J22.MECH J27.MECH J28.MECH J45.MECH J46.MECH J63.MECH J64.MECH J81.MECH J82.MECH J100.** J100.A5 J100.B1 J100.B5 J100.B6 J100.C6 J100.D5 J100.E2 J100.E4 J100.E5 J100.F2 J100.F4 J100.G3 J100.H2 J100.H3 J100.H6 J100.I2 J100.I6 J100.J3 J100.K3 J100.K6 J100.L2 J100.L6 J102.MH J102.PH J103.MH1 J103.MH2 J104.71 J104.72 J107.2 J108.5 J109.7 J109.9 J110.A1 J110.A2 J110.A3 J110.A4 J110.A5 J110.A6 J110.A7 J110.A8 J110.A9 J110.A10 J110.A11 J110.A12 J110.B1 J110.B2 J110.B3 J110.B4 J110.B5 J110.B6 J110.B7 J110.B8 J110.B9 J110.B10 J110.B11 J110.B12 J110.SHIELD J111.A5 J111.B5 ST1.
copper on no net:
  other v1: 283.495,4.067 283.495,4.567 283.495,5.067 283.495,5.584 283.495,6.084 283.495,6.584 283.495,7.084 283.495,7.584 283.495,8.084 283.495,8.584 283.495,9.199 283.495,9.699 283.495,10.199 283.495,10.699 283.495,11.199 283.495,11.699 283.495,12.199 283.495,13 283.495,13.5 283.495,14 283.495,14.5 283.495,15 283.495,15.5 283.495,16 283.495,17 283.495,17.5 283.495,18 283.495,18.5 283.495,19 283.495,19.5 283.495,20 283.495,21 283.495,21.5 283.495,22 283.495,22.5 283.495,23 283.495,23.5 283.495,24 283.495,25 283.495,25.5 283.495,26 283.495,26.5 283.495,27 283.495,27.5 283.495,28 283.495,29 283.495,29.5 283.495,30 283.495,30.5 283.495,31 283.495,31.5 283.495,32 283.495,32.895 283.495,33.395 283.495,33.895 283.495,34.395 283.495,34.895 283.495,35.395 283.495,35.895 283.495,36.75 283.495,37.25 283.495,37.75 283.495,38.25 283.495,38.75 283.495,39.25 283.495,39.75 283.495,40.59 283.495,41.09 283.495,41.59 284.495,42 284.995,42 285.495,42 285.995,42 286.495,42 286.995,42 287.495,42 288.254,42 288.754,42 289.254,42 289.754,42 290.254,42 290.754,42 291.254,42 291.864,42 292.364,42 292.864,42 293.364,42 293.864,42 294.364,42 294.864,42 295.464,42 295.964,42 296.464,42 296.964,42 297.464,42 297.964,42 298.464,42 299.214,42 299.714,42 300.214,42 300.714,42 301.214,42 301.714,42 302.214,42 302.884,42 303.384,42 303.884,42 304.384,42 304.884,42 305.384,42 305.884,42 306.389,42 306.889,42 307.389,42 307.889,42 308.389,42 308.889,42 309.389,42 309.995,42 310.495,42 310.995,42 311.495,42 311.995,42 312.495,42 312.995,42 313.635,42 314.135,42 314.635,42 315.135,42 315.635,42 316.135,42 316.635,42 317.274,42 317.774,42 318.274,42 318.774,42 319.274,42 319.774,42 320.274,42 320.995,42 321.495,42 321.995,42 322.495,42 322.995,42 323.495,42 323.995,42 324.724,42 325.224,42 325.724,42 326.224,42 326.724,42 327.224,42 327.724,42 328.384,42 328.884,42 329.384,42 329.884,42 330.384,42 330.884,42 331.384,42 331.964,42 332.464,42 332.964,42 333.464,42 333.964,42 334.464,42 334.964,42 335.495,42 335.995,42 336.495,42 283.495,42.09 283.495,42.59 283.495,43.09 324.495,43.482 297.464,43.5 310.964,43.5 283.495,43.59 297.464,44 310.964,44 324.495,43.982 283.495,44.481 324.495,44.482 297.464,44.5 310.964,44.5 283.495,44.981 324.495,44.982 297.464,45 310.964,45 283.495,45.481 297.464,45.5 310.964,45.5 324.495,45.482 283.495,45.981 324.495,46 297.464,46.018 310.964,46.018 283.495,46.481 297.464,46.518 310.964,46.518 324.495,46.5 283.495,46.981 324.495,47 297.464,47.018 310.964,47.018 283.495,47.481 324.495,47.5 297.464,47.518 310.964,47.518 297.464,48.018 310.964,48.018 324.495,48 283.495,48.5 324.495,48.5 297.464,48.518 310.964,48.518 283.495,49 324.495,49 297.464,49.018 310.964,49.018 283.495,49.5 297.464,49.795 310.964,49.795 324.495,49.777 283.495,50 324.495,50.277 297.464,50.295 310.964,50.295 283.495,50.5 324.495,50.777 297.464,50.795 310.964,50.795 283.495,51 297.464,51.295 310.964,51.295 324.495,51.277 283.495,51.5 324.495,51.777 297.464,51.795 310.964,51.795 324.495,52.277 297.464,52.295 310.964,52.295 283.495,52.397 324.495,52.777 297.464,52.795 310.964,52.795 283.495,52.897 283.495,53.397 324.495,53.392 297.464,53.41 310.964,53.41 283.495,53.897 297.464,53.91 310.964,53.91 324.495,53.892 324.495,54.392 283.495,54.397 297.464,54.41 310.964,54.41 283.495,54.897 284.495,55 284.995,55 285.495,55 285.995,55 286.495,55 286.995,55 287.495,55 288.254,55 288.754,55 289.254,55 289.754,55 290.254,55 290.754,55 291.254,55 291.864,55 292.364,55 292.864,55 293.364,55 293.864,55 294.364,55 294.864,55 295.464,55 295.964,55 296.464,55 296.964,55 297.464,55 297.964,55 298.464,55 299.214,55 299.714,55 300.214,55 300.714,55 301.214,55 301.714,55 302.214,55 302.884,55 303.384,55 303.884,55 304.384,55 304.884,55 305.384,55 305.884,55 306.389,55 306.889,55 307.389,55 307.889,55 308.389,55 308.889,55 309.389,55 309.995,55 310.495,55 310.995,55 311.495,55 311.995,55 312.495,55 312.995,55 313.635,55 314.135,55 314.635,55 315.135,55 315.635,55 316.135,55 316.635,55 317.274,55 317.774,55 318.274,55 318.774,55 319.274,55 319.774,55 320.274,55 320.995,55 321.495,55 321.995,55 322.495,55 322.995,55 323.495,55 323.995,55 324.724,55 325.224,55 325.724,55 326.224,55 326.724,55 327.224,55 327.724,55 328.384,55 328.884,55 329.384,55 329.884,55 330.384,55 330.884,55 331.384,55 331.964,55 332.464,55 332.964,55 333.464,55 333.964,55 334.464,55 334.964,55 335.495,55 335.995,55 336.495,55 283.495,55.397 283.495,56.334 297.464,56.5 310.964,56.5 324.495,56.482 283.495,56.834 324.495,56.982 297.464,57 310.964,57 283.495,57.334 324.495,57.482 297.464,57.5 310.964,57.5 283.495,57.834 297.464,58 310.964,58 324.495,57.982 283.495,58.334 324.495,58.482 297.464,58.5 310.964,58.5 283.495,58.834 324.495,59 297.464,59.018 310.964,59.018 283.495,59.334 297.464,59.518 310.964,59.518 324.495,59.5 324.495,60 297.464,60.018 310.964,60.018 283.495,60.271 324.495,60.5 297.464,60.518 310.964,60.518 283.495,60.771 297.464,61.018 310.964,61.018 324.495,61 283.495,61.271 324.495,61.5 297.464,61.518 310.964,61.518 283.495,61.771 324.495,62 297.464,62.018 310.964,62.018 283.495,62.271 283.495,62.771 297.464,62.795 310.964,62.795 324.495,62.777 283.495,63.271 324.495,63.277 297.464,63.295 310.964,63.295 324.495,63.777 297.464,63.795 310.964,63.795 283.495,64.209 297.464,64.295 310.964,64.295 324.495,64.277 283.495,64.709 324.495,64.777 297.464,64.795 310.964,64.795 283.495,65.209 324.495,65.277 297.464,65.295 310.964,65.295 283.495,65.709 297.464,65.795 310.964,65.795 324.495,65.777 283.495,66.209 324.495,66.392 297.464,66.41 310.964,66.41 283.495,66.709 297.464,66.91 310.964,66.91 324.495,66.892 283.495,67.209 324.495,67.392 297.464,67.41 310.964,67.41 283.495,68 284.495,68 284.995,68 285.495,68 285.995,68 286.495,68 286.995,68 287.495,68 288.254,68 288.754,68 289.254,68 289.754,68 290.254,68 290.754,68 291.254,68 291.864,68 292.364,68 292.864,68 293.364,68 293.864,68 294.364,68 294.864,68 295.464,68 295.964,68 296.464,68 296.964,68 297.464,68 297.964,68 298.464,68 299.214,68 299.714,68 300.214,68 300.714,68 301.214,68 301.714,68 302.214,68 302.884,68 303.384,68 303.884,68 304.384,68 304.884,68 305.384,68 305.884,68 306.389,68 306.889,68 307.389,68 307.889,68 308.389,68 308.889,68 309.389,68 309.995,68 310.495,68 310.995,68 311.495,68 311.995,68 312.495,68 312.995,68 313.635,68 314.135,68 314.635,68 315.135,68 315.635,68 316.135,68 316.635,68 317.274,68 317.774,68 318.274,68 318.774,68 319.274,68 319.774,68 320.274,68 320.995,68 321.495,68 321.995,68 322.495,68 322.995,68 323.495,68 323.995,68 324.724,68 325.224,68 325.724,68 326.224,68 326.724,68 327.224,68 327.724,68 328.384,68 328.884,68 329.384,68 329.884,68 330.384,68 330.884,68 331.384,68 331.964,68 332.464,68 332.964,68 333.464,68 333.964,68 334.464,68 334.964,68 335.495,68 335.995,68 336.495,68 283.495,68.5 283.495,69 283.495,69.5 283.495,70 283.495,70.5 283.495,71 283.495,71.48 283.495,71.98 283.495,72.48 283.495,72.98 283.495,73.48 283.495,73.98 283.495,74.48 283.495,75 283.495,75.5 283.495,76 283.495,76.5 283.495,77 283.495,77.5 283.495,78 283.495,78.5 283.495,79 283.495,79.5 283.495,80 283.495,80.5 283.495,81 283.495,81.5 283.495,82 283.495,82.5 283.495,83 283.495,83.5 283.495,84 283.495,84.5 283.495,85 283.495,85.5 283.495,86 283.495,86.5 283.495,87 283.495,87.5 283.495,88
  other v2: 3.2,79.7 3.9,79.7 4.6,79.7 3.2,80.4 3.9,80.4 4.6,80.4 3.2,81.1 3.9,81.1 4.6,81.1 18.825,83.125 19.525,83.125 20.225,83.125 18.825,83.825 19.525,83.825 20.225,83.825 18.825,84.525 19.525,84.525 20.225,84.525

## Polygon pours and split planes (outlines as drawn)
P3V9 on TOP "P3V9_L01_P088" (solid, remove dead copper, pour order 88): 159.2,19.3 157.475,19.3 155.05,16.875 148.275,16.875 148.275,18.975 148.225,18.975 148.225,24.45 141.875,24.45 141.875,27.05 141.025,27.9 139.3,27.9 139.3,29.55 141.775,29.55 141.775,28.325 142.2,27.9 154.9,27.9 154.9,21.175 159.2,21.175
P3V3_MP on TOP "P3V3_MP_L01_P101" (solid, pour order 101): 198.8,21.15 200.475,22.825 200.475,25.325 201.225,26.075 204.564,26.075 204.564,18.65 188.81,18.65 188.81,21.15
P12V0_EEM on TOP "P12V0_EEM_L01_P068" (solid, pour order 68): 200.55,28.475 198.05,25.975 197.075,25.975 197.075,23.95 188.7,23.95 188.7,21.45 199.1,21.45 200.475,22.825 200.475,25.325 201.225,26.075 204.564,26.075 204.564,28.475
P3V3 on TOP "P3V3_L01_P102" (solid, pour order 102): 183.675,21.15 183.675,18.65 188.7,18.65 188.7,21.15
VIN on TOP "VIN_L01_P066" (solid, pour order 66): 183.675,23.95 183.675,21.45 188.7,21.45 188.7,23.95
VIN on TOP "TOP-VIN" (solid, pour order 100): 139.425,21.682 141.375,21.682 141.375,22.55 133.925,22.55 133.925,25.95 121.6,25.95 121.6,16.9 134.125,16.9 138.1,16.9 138.1,20.438 139.425,20.438
P12V0_POE on TOP "TOP-P12V0_POE" (solid, pour order 99): 104.625,8.3 119.425,8.3 119.425,11.025 116.55,11.025 116.55,14.7 121.475,14.7 121.475,25.95 104.625,25.95 104.625,14.7
GND on TOP "GND_L01_P093" (solid, pour order 93): 104.625,2.75 121.475,2.75 121.475,14.7 116.55,14.7 116.55,11.025 119.425,11.025 119.425,8.3 104.625,8.3
GND on TOP "TOP-GND" (solid, pour order 91): 147.85,28.05 147.85,31.625 134.05,31.625 134.05,22.6 141.375,22.6 141.375,28.05
NetIC20_2 on TOP "NETIC20_2_L01_P047" (solid, remove dead copper, pour order 47): 143.9,20.75 141.55,23.1 138.625,23.1 138.625,22.1 140.957,22.1 142.45,20.607 142.45,16.9 147.85,16.9 147.85,20.75
GND on TOP "GND_L01_P065" (solid, pour order 65): 211.2,90.385 205.675,90.385 205.675,80.025 217.1,80.025 217.1,96.925 211.2,96.925
P12V0_IN on TOP "P12V0_IN_L01_P064" (solid, pour order 64): 211.2,89.6 205.675,89.6 205.675,80.025 199.575,80.025 199.575,87.325 202.463,90.212 202.463,91.79 204.75,91.79 204.75,96.925 211.2,96.925
VIN on TOP "VIN_L01_P063" (solid, pour order 63): 204.75,96.925 201.61,96.925 201.61,91.9 204.75,91.9
VIN on TOP "VIN_L01_P067" (solid, pour order 67): 188.375,5.75 188.375,2.61 193.4,2.61 193.4,5.75
no net on TOP "NONET_L01_P084" (solid, pour order 84): 18.175,85.4 18.175,80.9 22.4,80.9 22.4,85.4
NetC61_2 on TOP "NETC61_2_L01_P080" (solid, pour order 80): 22.4,85.4 22.4,80.9 26,80.9 26,85.4
P12V0_DIOT on TOP "P12V0_DIOT_L01_P062" (solid, pour order 62): 193.51,0 221.539,0 221.539,5.75 193.51,5.75
no net on MID2 "NONET_L03_P059" (solid, pour order 59): 1.5,100 1.5,92 -0.989,89.511 -0.989,10.809 1.5,8.32 1.5,0 161.5,0 161.495,0.005 161.495,100 1.5,100
GND on MID2 "GND_L03_P057" (solid, pour order 57): -0.881,0 221.539,0 221.539,100 -0.881,100
P3V3 on MID1 "P3V3_L02_P075" (solid, remove dead copper, pour order 75): 120.603,-0.005 120.551,25.676 122.675,27.8 193.825,27.8 193.825,97.275 51.975,97.275 51.975,-0.005
VIN on MID1 "MID1-VIN" (solid, remove dead copper, pour order 71): 120.55,25.675 122.675,27.8 193.975,27.8 193.975,97.275 221.539,97.275 221.539,0 120.55,0
no net on MID1 "NONET_L02_P078" (solid, remove dead copper, pour order 78): 1.325,78.35 1.325,81.826 7.2,81.826 7.2,86.275 21.95,86.275 21.95,78.35 11.875,78.35
GND on BOT "GND_L04_P074" (solid, pour order 74): 5.7,72.475 2.675,72.475 2.675,76.35 5.7,76.35
no net on BOT "NONET_L04_P073" (solid, pour order 73): 5.7,81.525 2.675,81.525 2.675,77.65 5.7,77.65

## Keep-outs
KeepOutLayer:
  rectangle: 1.5,0 221.539,2.5
  rectangle: 1.5,97.5 221.539,100
  lines w0.254: 213.06,85.164 cw(c211.141,85.185) 213.06,85.185

## Other copper
MID1:
  text "0.5mm" at 182.28,65.01 h1.52

## Silkscreen, mask and mechanical layers (free items; w line width, h text height)
TopOverlay:
  drawing of 542 lines, arcs and shapes, not listed
  text "Switch Matrix 32:2  / V1.0 / WUT ISE 2023" at 42.925,134.814 h1.02
  text "WUT ISE / CTI 2024" at 94.75,97.627 h1.02
  text "PT1000_8CH v2.0" at 65,97.5 h1.52
  text "+12V" at 203.973,91.215 h1.02
  text "UART" at 225.3,81.5 h1
  text "RX" at 194.075,81.45 h1
  text "TX" at 193.95,79.925 h1
  text "BOOT" at 225.6,79.6 h1
  text "3V3" at 225.1,75.5 h1
  text "GND" at 225.6,73.6 h1
  text "CPU JTAG" at 224.6,69.8 h1
  text "SENS6" at 296.319,66.481 h0.76 r90
  text "SENS4" at 310.145,66.295 h0.76 r90
  text "SENS2" at 323.344,66.237 h0.76 r90
  text "SENS0" at 336.545,65.902 h0.76 r90
  text "F+" at 285.845,65.734 h0.76
  text "F+" at 285.845,65.734 h0.76
  text "I+" at 288.25,65.734 h0.76
  text "I+" at 288.25,65.734 h0.76
  text "I-" at 290.655,65.734 h0.76
  text "I-" at 290.655,65.734 h0.76
  text "F-" at 293.06,65.734 h0.76
  text "F-" at 293.06,65.734 h0.76
  text "F+" at 299.845,65.734 h0.76
  text "I+" at 302.25,65.734 h0.76
  text "I-" at 304.655,65.734 h0.76
  text "F-" at 307.06,65.734 h0.76
  text "F+" at 312.845,65.734 h0.76
  text "I+" at 315.25,65.734 h0.76
  text "I-" at 317.655,65.734 h0.76
  text "F-" at 320.06,65.734 h0.76
  text "F+" at 326.345,65.734 h0.76
  text "I+" at 328.75,65.734 h0.76
  text "I-" at 331.155,65.734 h0.76
  text "F-" at 333.56,65.734 h0.76
  text "EEM Downstream" at 223.3,64.9 h1
  text "/ Upstream" at 227.4,60.3 h1
  text "SENS 0 1" at 325.539,48.745 h1.27
  text "SENS 2 3" at 312.785,48.693 h1.27
  text "SENS 6 7" at 286.766,48.641 h1.27
  text "SENS 4 5" at 299.279,48.632 h1.27
  text "P3V3" at 62.153,32.378 h0.7 r90
  text "SDA" at 228.646,19.665 h1
  text "SCL" at 225.327,19.591 h1
  text "4" at 289.674,14.461 h0.76 r180
  text "1" at 298.781,14.461 h0.76 r180
  text "4" at 323.254,14.461 h0.76 r180
  text "1" at 332.361,14.461 h0.76 r180
  text "SENS6" at 290.071,12.913 h1.52
  text "SENS4" at 302.509,12.913 h1.52
  text "SENS2" at 313.751,12.913 h1.52
  text "SENS0" at 323.636,12.913 h1.52
  text "4-F+ / 3-I+ / 2-I- / 1-F-" at 332.564,7.413 h1.02
  text "1" at 322.786,7.305 h0.76
  text "4" at 331.894,7.305 h0.76
  text "SENS7" at 290.071,6.933 h1.52
  text "SENS5" at 301.865,6.933 h1.52
  text "SENS3" at 312.995,6.933 h1.52
  text "SENS1" at 323.995,6.883 h1.52
BottomOverlay:
  drawing of 1082 lines, arcs and shapes, not listed
  text "Switch Matrix 32:2  / V1.0 / WUT ISE 2023" at 64.287,134.69 h1.02
  text "WUT ISE / CTI 2024" at 33.25,97.627 h1.02
  text "PT1000_8CH v2.0" at 62.75,97.5 h1.52
  text "F+" at 185.845,66.766 h0.76 r180
  text "I+" at 188.25,66.766 h0.76 r180
  text "I-" at 190.655,66.766 h0.76 r180
  text "F-" at 193.06,66.766 h0.76 r180
  text "F+" at 199.845,66.766 h0.76 r180
  text "I+" at 202.25,66.766 h0.76 r180
  text "I-" at 204.655,66.766 h0.76 r180
  text "F-" at 207.06,66.766 h0.76 r180
  text "F+" at 212.845,66.766 h0.76 r180
  text "I+" at 215.25,66.766 h0.76 r180
  text "I-" at 217.655,66.766 h0.76 r180
  text "F-" at 220.06,66.766 h0.76 r180
  text "F+" at 226.345,66.766 h0.76 r180
  text "I+" at 228.75,66.766 h0.76 r180
  text "I-" at 231.155,66.766 h0.76 r180
  text "F-" at 233.56,66.766 h0.76 r180
  text "SENS7" at 195.464,66.49 h0.76 r270
  text "SENS5" at 209.165,66.361 h0.76 r270
  text "SENS3" at 222.495,66.237 h0.76 r270
  text "SENS1" at 235.645,66.074 h0.76 r270
Mechanical1:
  lines w0.1: -57,90.327 -3.671,90.327 ; -52.1,62 5.7,62 ; -51.9,67.5 5.7,67.5 ; -3.544,-14.238 -3.544,114.162 ; -3.07,10.809 -3.07,89.511 ; 285.495,2 287.495,0 336.495,0 337.495,0 337.495,89 335.495,91 287.495,91 285.495,89 ; -1,10.2 -0.8,10 -0.2,10 1.1,8.7 1.5,8.3 1.5,0 219.539,0 221.539,2 221.539,98 219.539,100 1.5,100 1.5,91.8 1.2,91.5 -0.6,91.5 -1,91.1 -1,10.2
Board Shape:
  circle w0.2: c-47.63,1.312 r1.35
  circle w0.2: c-47.63,-10.388 r1.25
  circle w0.2: c-37.47,1.312 r1.35
  circle w0.2: c-42.344,1.312 r1.35
  circle w0.2: c-42.54,100.312 r1.25
  circle w0.2: c-42.54,100.312 r2.25
  circle w0.2: c-47.63,112.012 r1.25
  lines w0.1: -50,-13.388 -30.02,-13.388 -30.02,115.012 -50,115.012 -50,-13.388 ; -49.351,106.513 -30.649,106.513 -30.649,109.612 -49.351,109.612 -49.351,106.513
  lines w0.2: -44.995,-12.038 cw(c-42.55,-10.388) -44.995,-8.738 -40.105,-8.738 cw(c-42.55,-10.388) -40.105,-12.038 -44.995,-12.038 ; -44.995,110.362 cw(c-42.55,112.012) -44.995,113.662 -40.105,113.662 cw(c-42.55,112.012) -40.105,110.362 -44.995,110.362
Dimensions:
  lines w0.254: -46.094,-13.388 -46.094,115.012
  text "PCB TOP EDGE" at -45.84,86.358 h1.52 r270
  text "PCB TOP EDGE" at -45.84,36.358 h1.52 r270
M15:
  circle w0.2: c-36.62,62 r0.8
  circle w0.2: c-39.16,62 r0.8
  circle w0.2: c-41.7,62 r0.8
  circle w0.2: c-44.24,62 r0.8
  circle w0.2: c-44.24,67.5 r0.8
  circle w0.2: c-41.7,67.5 r0.8
  circle w0.2: c-39.16,67.5 r0.8
  circle w0.2: c-36.62,67.5 r0.8
  lines w0.1: -50.99,79.13 ccw(c-49.69,79.13) -49.69,77.83 -49,77.83 -47.7,77.83 -47.7,86.77 -49,86.77 -49.69,86.77 ccw(c-49.69,85.47) -50.99,85.47 -50.99,79.13 ; -46.094,74.337 -46.094,90.337 -32.494,90.337 -32.494,74.337 -46.094,74.337

## Text inside footprints (layer, text, board x,y; h text height)
IC16: TopOverlay "1" at 117.45,57.52 h1.2 r270; Mechanical14 "1" at 117.45,57.52 h1.2 r270
J3: TopOverlay "4" at 323.571,18.222 h1 r180; TopOverlay "1" at 330.937,18.222 h1 r180; TopOverlay "2" at 328.651,18.222 h1 r180; TopOverlay "3" at 326.111,18.222 h1 r180
J4: TopOverlay "4" at 323.571,34.222 h1 r180; TopOverlay "1" at 330.937,34.222 h1 r180; TopOverlay "2" at 328.651,34.222 h1 r180; TopOverlay "3" at 326.111,34.222 h1 r180
J5: TopOverlay "33" at 298.88,10.071 h1.2 r180; TopOverlay "68" at 298.194,3.239 h1.2 r180; TopOverlay "1" at 323.659,10.074 h1.2 r180; TopOverlay "36" at 323.794,3.239 h1.2 r180; Mechanical14 "33" at 298.88,10.071 h1.2 r180; Mechanical14 "1" at 323.659,10.074 h1.2 r180; Mechanical8 "EDGE OF PCB" at 314.517,-1.222 h1 r180
J8: TopOverlay "33" at 322.525,79.578 h1.2; TopOverlay "68" at 323.211,86.411 h1.2; TopOverlay "1" at 297.746,79.576 h1.2; TopOverlay "36" at 297.611,86.411 h1.2; Mechanical14 "33" at 322.525,79.578 h1.2; Mechanical14 "1" at 297.746,79.576 h1.2; Mechanical8 "EDGE OF PCB" at 306.888,90.872 h1
J9: TopOverlay "4" at 323.571,10.222 h1 r180; TopOverlay "1" at 330.937,10.222 h1 r180; TopOverlay "2" at 328.651,10.222 h1 r180; TopOverlay "3" at 326.111,10.222 h1 r180
J10: TopOverlay "4" at 323.571,26.222 h1 r180; TopOverlay "1" at 330.937,26.222 h1 r180; TopOverlay "2" at 328.651,26.222 h1 r180; TopOverlay "3" at 326.111,26.222 h1 r180
J11: TopOverlay "4" at 312.571,18.222 h1 r180; TopOverlay "1" at 319.937,18.222 h1 r180; TopOverlay "2" at 317.651,18.222 h1 r180; TopOverlay "3" at 315.111,18.222 h1 r180
J12: TopOverlay "4" at 312.571,34.222 h1 r180; TopOverlay "1" at 319.937,34.222 h1 r180; TopOverlay "2" at 317.651,34.222 h1 r180; TopOverlay "3" at 315.111,34.222 h1 r180
J15: TopOverlay "4" at 312.571,10.222 h1 r180; TopOverlay "1" at 319.937,10.222 h1 r180; TopOverlay "2" at 317.651,10.222 h1 r180; TopOverlay "3" at 315.111,10.222 h1 r180
J16: TopOverlay "4" at 312.571,26.222 h1 r180; TopOverlay "1" at 319.937,26.222 h1 r180; TopOverlay "2" at 317.651,26.222 h1 r180; TopOverlay "3" at 315.111,26.222 h1 r180
J17: TopOverlay "4" at 301.571,18.222 h1 r180; TopOverlay "1" at 308.937,18.222 h1 r180; TopOverlay "2" at 306.651,18.222 h1 r180; TopOverlay "3" at 304.111,18.222 h1 r180
J18: TopOverlay "4" at 301.571,34.222 h1 r180; TopOverlay "1" at 308.937,34.222 h1 r180; TopOverlay "2" at 306.651,34.222 h1 r180; TopOverlay "3" at 304.111,34.222 h1 r180